# Altium PCB CentralUnit_PCB.PcbDoc
Units mm, origin at the board's own origin, x right, y up, seen from the top; angles counter-clockwise.
Board outline 83 x 60.78 mm, 2 copper layers (Top Layer, Bottom Layer), stack 1.571 mm thick; 35 components, 17 nets, 119 pads, 15 vias.
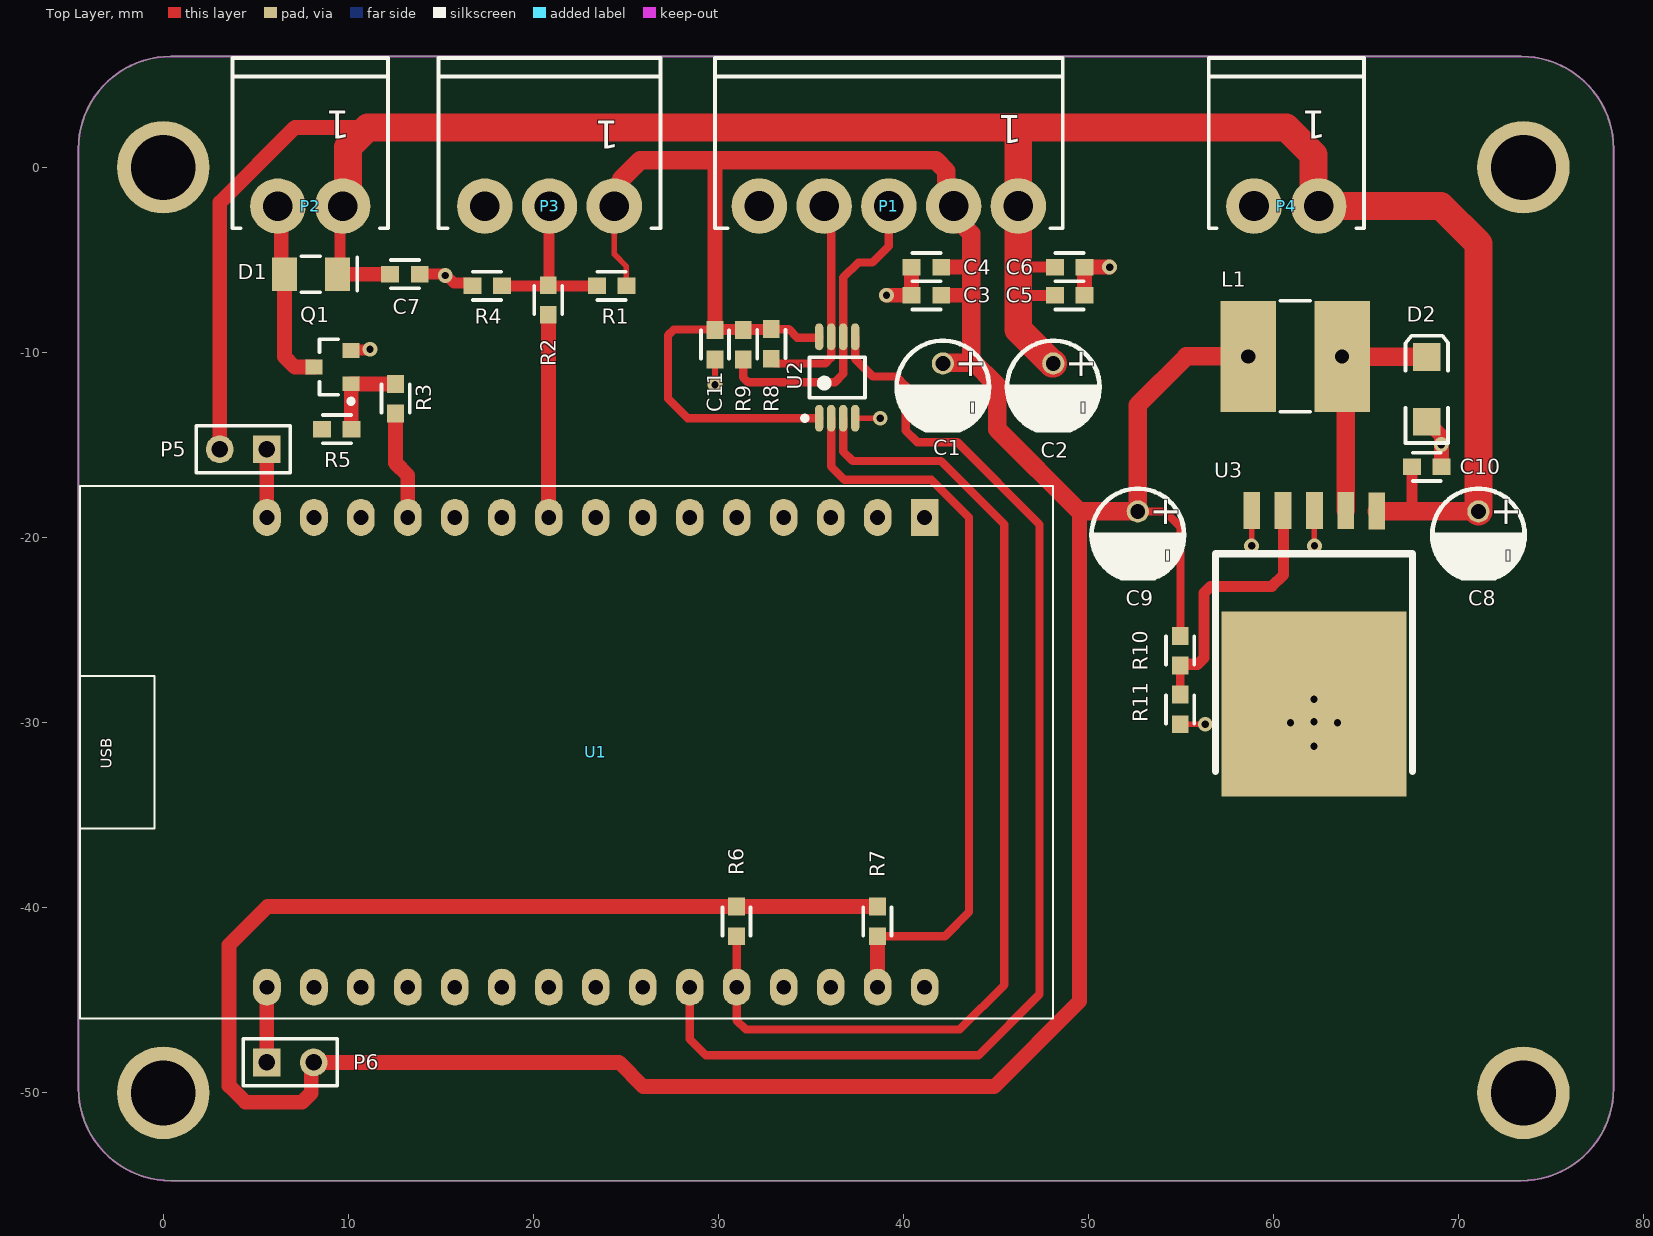
[diagram p0: Top Layer view]
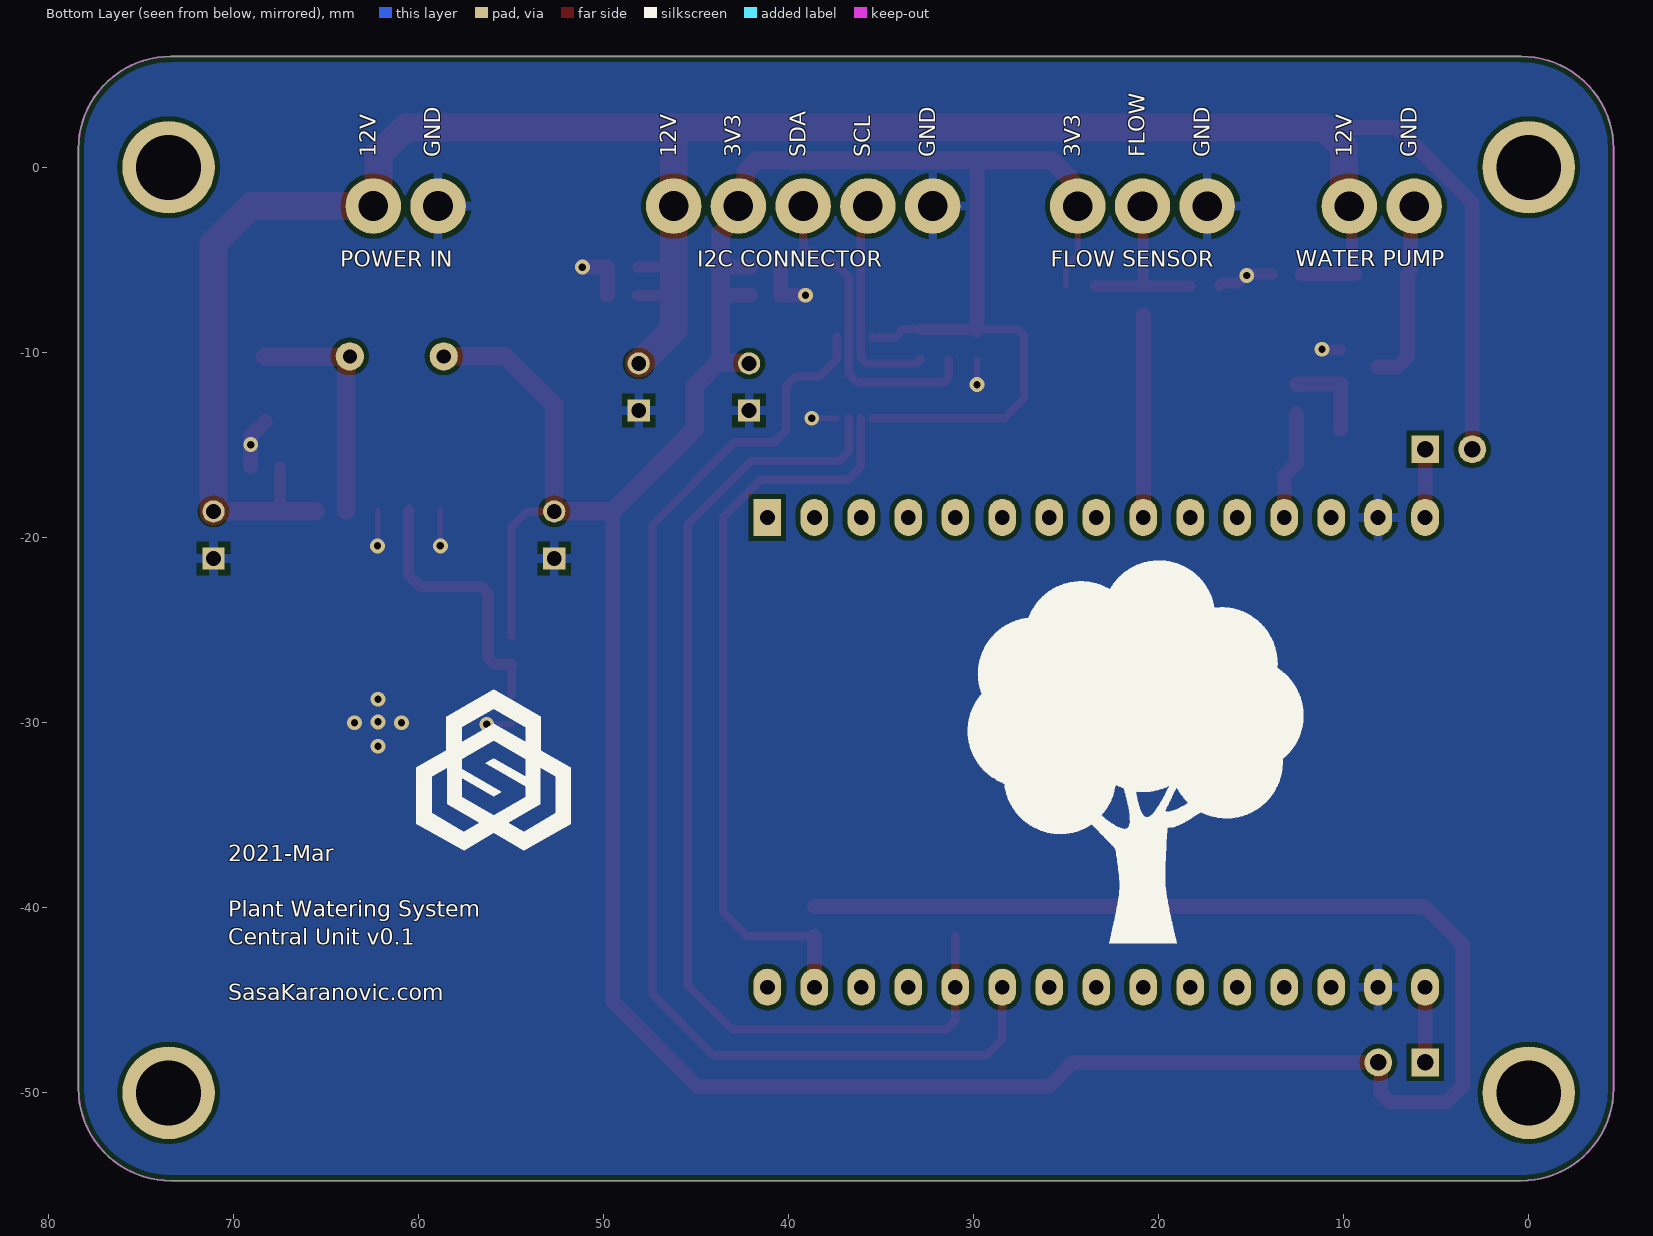
[diagram p1: Bottom Layer view, seen from below]
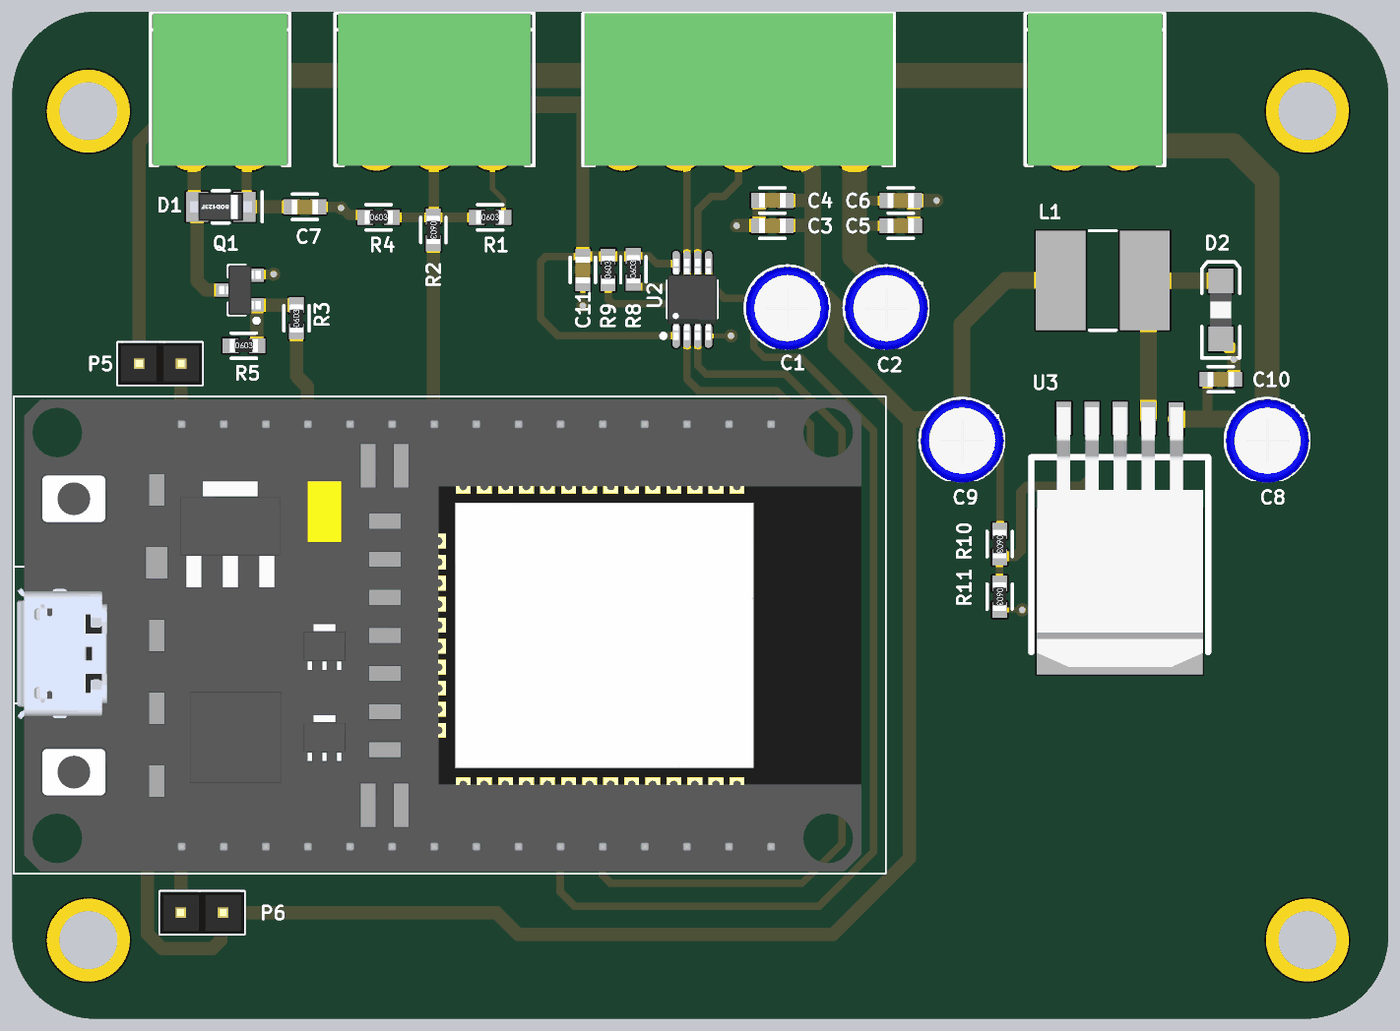
[diagram p2: 3D render of the assembled board from above, using the file's embedded part models]

## Layer stack, top to bottom
Top Solder: solder mask 0.0102, Solder Resist, Dk 3.5
Top Layer: signal copper 0.0356
Dielectric 1: dielectric 1.5, FR-4, Dk 4.8
Bottom Layer: signal copper 0.0356
Bottom Solder: solder mask 0.0102, Solder Resist, Dk 3.5

## Board outline
-4.592,-49.784 ccw(c0.408,-49.784) 0.408,-54.784 73.406,-54.784 ccw(c73.406,-49.784) 78.406,-49.784 78.406,1 ccw(c73.406,1) 73.406,6 0.408,6 ccw(c0.408,1) -4.592,1

## Design rules (kind name [scope] priority, off if disabled: settings)
Clearance Clearance_1 [InNamedPolygon('GND_L02_P000')] p1: gap=0.254 ignorepadtopadclearanceinfootprint=FALSE except(0: Arc-Hole Track-Hole SMDPad-Hole THPad-Hole Via-Hole Fill-Hole Poly-Hole Region-Hole Text-Hole)
Clearance [All] p2: gap=0.152 ignorepadtopadclearanceinfootprint=FALSE
HoleSize [All] p1: absolutevalues=TRUE maxlimit=50 minlimit=0.4 maxpercent=80.000 minpercent=20.000
MinimumSolderMaskSliver [All] p1 off: minsoldermaskwidth=0.1
PlaneConnect [All] p1: pad.planeconnectstyle=Relief pad.reliefexpansion=0.508 pad.reliefentries=4 pad.reliefconductorwidth=0.254 pad.reliefairgap=0.254 via.planeconnectstyle=Direct via.reliefexpansion=0.508 via.reliefentries=4 via.reliefconductorwidth=0.254 via.reliefairgap=0.254
PolygonConnect [All] p1: thpad.connectstyle=Relief thpad.reliefconductorwidth=0.5 thpad.reliefentries=4 thpad.polygonreliefangle="90 Angle" thpad.airgapwidth=0.3 smdpad.connectstyle=Relief smdpad.reliefconductorwidth=0.254 smdpad.reliefentries=4 smdpad.polygonreliefangle="90 Angle" smdpad.airgapwidth=0.254 via.connectstyle=Direct via.reliefconductorwidth=0.254 via.reliefentries=4 via.polygonreliefangle="90 Angle" via.airgapwidth=0.254
RoutingVias [All] p1: holewidth=0.8 width=0.8 viastyle="Through Hole" minholewidth=0.3 minwidth=0.6 maxholewidth=0.4 maxwidth=50
SilkToSilkClearance [All] p1 off: silktosilkclearance=0.1
SilkToSolderMaskClearance [IsPad] p1 off: minsilkscreentomaskgap=0.1 clearancetoexposedcopper=TRUE
SolderMaskExpansion [All] p1: expansion=0.102
Width [All] p1: maxlimit=50 minlimit=0.154 preferedwidth=0.2
25 further rules are at their usual default settings.

## Components (designator, comment, footprint, x,y, rotation, side; value= is the part's Value field where it differs from the comment)
C1 "16V" "Electrolytic Cap 2.54mm" 42.144,-11.869 r270 top value=100uF
C2 "16V" "Electrolytic Cap 2.54mm" 48.113,-11.869 r270 top value=100uF
C3 "Cap" "0603 - CAP HS" 41.255,-6.916 r0 top value=100n
C4 "Cap" "0603 - CAP HS" 41.255,-5.392 r0 top value=22uF
C5 "Cap" "0603 - CAP HS" 49.002,-6.916 r180 top value=100n
C6 "Cap" "0603 - CAP HS" 49.002,-5.392 r180 top value=22uF
C7 "Cap" "0603 - CAP HS" 13.061,-5.773 r180 top value=22uF
C8 "16V" "Electrolytic Cap 2.54mm" 71.1,-19.869 r270 top value=100uF
C9 "16V" "Electrolytic Cap 2.54mm" 52.685,-19.869 r270 top value=100uF
C10 "Cap" "0603 - CAP HS" 68.306,-16.186 r180 top value=100n
C11 "Cap" "0603 - CAP HS" 29.825,-9.583 r90 top value=100n
D1 "1N4148" SOD123F 7.981,-5.773 r0 top
D2 "Diode Schotky" "1206 Polarized" 68.306,-11.995 r90 top
L1 "Inductor" IND_TH_SMD 61.194,-10.217 r180 top value=47uH
P1 "691322110005" TERMINAL_5POS_90DEG_2PART 39.223,5.911 r180 top
P2 "691322110002" TERMINAL_2POS_90DEG_2PART 7.941,5.91 r180 top
P3 "691322110003" TERMINAL_3POS_90DEG_2PART 20.877,5.91 r180 top
P4 "691322110002" TERMINAL_2POS_90DEG_2PART 60.714,5.911 r180 top
P5 "Header 2" "Header 2x1" 5.588,-15.24 r180 top
P6 "Header 2" "Header 2x1" 5.588,-48.387 r0 top
Q1 "DMN62D0U-13" SOT90P240X100-3N 9.144,-10.795 r180 top
R1 "Res" "0603 - HS" 24.237,-6.408 r0 top value=100K
R2 "Res" "0603 - HS" 20.808,-7.17 r270 top value=100R
R3 "Res" "0603 - HS" 12.553,-12.504 r90 top value=100R
R4 "Res" "0603 - HS" 17.506,-6.408 r0 top value=DNP
R5 "Res" "0603 - HS" 9.378,-14.155 r0 top value=100K
R6 "Res" "0603 - HS" 30.988,-40.767 r90 top value=2K
R7 "Res" "0603 - HS" 38.608,-40.767 r90 top value=2K
R8 "Res" "0603 - HS" 32.873,-9.545 r90 top value=2K2
R9 "Res" "0603 - HS" 31.349,-9.583 r90 top value=2K2
R10 "Res" "0603 - HS" 54.971,-26.13 r270 top value=1K8
R11 "Res" "0603 - HS" 54.971,-29.305 r270 top value=1K
U1 "ESP32 Dev Kit" ESP32-DevModule 22.098,-31.623 r270 top locked
U2 "PCA9517ADP,118" MSOP8-3mm 36.429,-11.361 r90 top
U3 "LM2576-3.3" TO263-5 62.21,-25.838 r180 top

## Footprints (in the part's own frame and the unit in brackets; to place one, negate y for a bottom-side part, rotate by r counter-clockwise, add the part's x,y. Pads: shape width x height; smd on the part's side, far side on the other; paste and mask are expansions set on the pad)
"0603 - CAP HS" [mm]
  rect 0.965x0.9 smd: 1(-0.8,0) 2(0.8,0)
  silkscreen extent -0.76,-0.76 0.76,0.76, body extent -0.8,-0.44 0.8,0.46, height 0.8
"0603 - HS" [mm]
  rect 0.965x0.9 smd: 1(-0.8,0) 2(0.8,0)
  silkscreen extent -0.76,-0.76 0.76,0.76, body extent -0.85,-0.4 0.85,0.4, height 0.56
"1206 Polarized" [mm] "SMT LED; 2 Flat Leads"
  rect 1.5x1.5 smd: A(-1.75,0) K(1.75,0)
  silkscreen extent -2.9,-1.15 2.9,1.15, body extent -1,-0.65 1,0.66, height 0.73
"Electrolytic Cap 2.54mm" [mm] "Elektrolitski kondenzator, razmak 2.54mm"
  round 1.2 hole 0.8: 1(-1.27,0)
  rect 1.2x1.2 hole 0.8: 2(1.27,0)
  silkscreen extent -2.5,-2.5 2.33,2.5, body extent -2.5,-2.5 2.55,2.55, height 3.07
ESP32-DevModule [mm]
  rect 2x1.5 hole 0.8 unplated: 1(-12.7,19.06)
  oval 2x1.5 hole 0.8 unplated: 2(-12.7,16.52) 3(-12.7,13.98) 4(-12.7,11.44) 5(-12.7,8.9) 6(-12.7,6.36) 7(-12.7,3.82) 8(-12.7,1.28) 9(-12.7,-1.26) 10(-12.7,-3.8) 11(-12.7,-6.34) 12(-12.7,-8.88) 13(-12.7,-11.42) 14(-12.7,-13.96) 15(-12.7,-16.5) 16(12.7,-16.5) 17(12.7,-13.96) 18(12.7,-11.42) 19(12.7,-8.88) 20(12.7,-6.34) 21(12.7,-3.8) 22(12.7,-1.26) 23(12.7,1.28) 24(12.7,3.82) 25(12.7,6.36) 26(12.7,8.9) 27(12.7,11.44) 28(12.7,13.98) 29(12.7,16.52) 30(12.7,19.06)
  silkscreen extent -14.4,-26.6 14.4,26, body extent -14.22,-26.4 14.28,24.53, height 12.2
"Header 2x1" [mm] "Jumper 2x2,54mm"
  rect 1.5x1.5 hole 0.9: 1(0,0)
  round 1.5 hole 0.9: 2(2.54,0)
  silkscreen extent -1.27,-1.27 3.81,1.27, body extent -1.28,-1.27 3.8,1.27, height 8.49
IND_TH_SMD [mil]
  rect 118.11x236.22 smd: 1(-100,0) 2(100,0)
  round 60 hole 30: 1(-100,0) 2(100,0)
  silkscreen extent -31,-118 31,118
MSOP8-3mm [mm] "TSOP, 8-Leads, Body 3.00x3.00mm, Pitch 0.65mm, IPC Medium Density"
  oval 1.45x0.45 smd: 1(-2.2,0.975) 2(-2.2,0.325) 3(-2.2,-0.325) 4(-2.2,-0.975) 5(2.2,-0.975) 6(2.2,-0.325) 7(2.2,0.325) 8(2.2,0.975)
  silkscreen extent -2.32,-1.5 1.1,1.87, body extent -2.45,-1.5 2.45,1.5, height 1.1
SOD123F [mm]
  rect 1.34x1.8 smd: A(-1.43,0) K(1.43,0)
  silkscreen extent -0.51,-0.97 2.5,0.97, body extent -1.85,-0.85 1.9,0.85, height 1.2
SOT90P240X100-3N [mm] "SOT23, 3-Leads, Body 2.90x2.40mm, Pitch 0.90mm, IPC Medium Density"
  rect 0.9x0.8 smd: 1(-1,0.9) 2(-1,-0.9) 3(1,0)
  silkscreen extent -1.13,-1.5 0.7,1.97, body extent -1.25,-1.5 1.25,1.5, height 1
TERMINAL_2POS_90DEG_2PART [mm] "TERM BLOCK HDR 4POS 90DEG 3.5MM"
  round 3 hole 1.6: 1(-1.75,8) 2(1.75,8)
  silkscreen extent -4.2,0 4.2,9.2, body extent -4.05,0 4.05,9.2, height 7.3
TERMINAL_3POS_90DEG_2PART [mm] "TERM BLOCK HDR 4POS 90DEG 3.5MM"
  round 3 hole 1.6: 1(-3.5,8) 2(0,8) 3(3.5,8)
  silkscreen extent -6,0 6,9.2, body extent -5.8,0 5.8,9.2, height 7.3
TERMINAL_5POS_90DEG_2PART [mm] "TERM BLOCK HDR 5POS 90DEG 3.5MM"
  round 3 hole 1.6: 1(-7,8) 2(-3.5,8) 3(0,8) 4(3.5,8) 5(7,8)
  silkscreen extent -9.4,0 9.4,9.2, body extent -9.3,0 9.3,9.2, height 7.3
TO263-5 [mm] "TO263-5 SMT package"
  rect 0.9x2 smd: 1(-3.4,-7.25) 2(-1.725,-7.3) 3(-0.025,-7.3) 4(1.675,-7.3) 5(3.375,-7.3)
  rect 10x10 smd: 3(0,3.162)
  silkscreen extent -5.34,-4.95 5.34,6.81, body extent -5.02,-7.96 4.98,7.71, height 4.78

## Part data
C1 C2 C8 C9: library part "Cap Electrolytic", "Polarized Capacitor (Axial)", Distributor Part Number=493-10673-1-ND, Manufacturer=Nichicon, Manufacturer Part Number=UKT1V101MED1TD, Distributor=DigiKey
C3 C5 C10 C11: "CAP CER 0.1UF 50V X7R 0603", Distributor Part Number=1276-CL10B104KB8NNNLCT-ND, Manufacturer="Samsung Electro-Mechanics", Manufacturer Part Number=CL10B104KB8NNNL, Distributor=DigiKey
C4 C6 C7: "Capacitor", Distributor Part Number=493-13481-1-ND, Manufacturer=Nichicon, Manufacturer Part Number=UVZ1J220MDD1TD, Distributor=DigiKey
D1: library part Diode, "DIODE GEN PURP 100V 300MA SOD123", Distributor Part Number=1N4148W-FDICT-ND, Manufacturer="Diodes Incorporated", Manufacturer Part Number=1N4148W-7-F, Distributor=DigiKey
D2: Distributor Part Number=478-7805-1-ND, Manufacturer="AVX Corporation", Manufacturer Part Number=SD1206S040S1R0, Distributor=DigiKey
L1: "Shielded - Inductor 200mOhm Nonstandard", Distributor Part Number=240-2745-2-ND, Manufacturer="Laird-Signal Integrity Products", Manufacturer Part Number=TYS6045470M-10, Distributor=DigiKey
P1: library part "Terminal 5_691322110005", "TERM BLOCK HDR 5POS 90DEG 3.5MM", Distributor Part Number=732-2772-ND, Manufacturer="Würth Elektronik", Distributor=DigiKey, Manufacturer Part Number=691322110005
P2 P4: library part "Terminal 2_691322110002", "2 Position Terminal Block Header, Male Pins, Shrouded (4 Side) 0.138\" (3.50mm) 90°, Right Angle - Through Hole", Distributor Part Number=732-2769-ND, Manufacturer="Würth Elektronik", Distributor=DigiKey, Manufacturer Part Number=691322110002
P3: library part "Terminal 3_691322110003_1", "TERM BLOCK HDR 3POS 90DEG 3.5MM", Distributor Part Number=732-2770-ND, Manufacturer="Würth Elektronik", Distributor=DigiKey, Manufacturer Part Number=691322110003
P5 P6: "Header, 2-Pin", Distributor Part Number=952-2244-ND, Manufacturer="Harwin Inc.", Manufacturer Part Number=M20-9960245, Distributor=DigiKey
Q1: "MOSFET N-CH 60V 0.38A", Distributor Part Number=DMN62D0U-13DICT-ND, Manufacturer="Diodes Incorporated", Distributor=DigiKey, Manufacturer Part Number=DMN62D0U-13
R1 R2 R3 R4 R6 R7 R8 R9: "RES SMD 0 OHM JUMPER 1/10W 0603", Distributor Part Number=311-0.0LECT-ND, Manufacturer=Yageo, Manufacturer Part Number=AC0603JR-070RL, Distributor=DigiKey
R5: "RES SMD 1M OHM 5% 1/10W 0603", Distributor Part Number=311-1.0MGRCT-ND, Manufacturer=Yageo, Manufacturer Part Number=RC0603JR-071ML, Distributor=DigiKey
R10: "Resistor", Distributor Part Number=311-1.8KGRCT-ND, Manufacturer=Yageo, Manufacturer Part Number=RC0603JR-071K8L, Distributor=DigiKey
R11: "Resistor", Distributor Part Number=311-1.0KGRCT-ND, Manufacturer=Yageo, Manufacturer Part Number=RC0603JR-071KL, Distributor=DigiKey
U1: library part ESP32_DEV, Distributor Part Number=TBD, Manufacturer=Espressif, Manufacturer Part Number="ESP32-Dev Module", Distributor=TBD
U2: "IC REDRIVER I2C 1CH 8TSSOP", Distributor Part Number=568-5926-1-ND, Manufacturer="NXP USA Inc.", Distributor=DigiKey, Manufacturer Part Number=PCA9517ADP,118
U3: library part LM2576-xx, "Buck Switching Regulator IC Positive Fixed 3.3V 1 Output 3A TO-263-6, D²Pak (5 Leads + Tab), TO-263BA", Distributor Part Number=LM2596S-3.3/NOPB-ND, Manufacturer="Texas Instruments", Manufacturer Part Number=LM2596S-3.3/NOPB, Distributor=DigiKey

## Free pads (board coordinates)
  round 5 hole 3.5 unplated: ""(0,-50.038) ""(0,0) ""(73.533,-50.038) ""(73.533,0)

## Via types
v1: diameter 0.8, hole 0.4, Top Layer to Bottom Layer, tented both sides, 15 vias

## Nets (pads, with @x,y where several pads share a name; then routed paths per layer and width w, separated by ;. In a path a pad name is that pad's centre, name@x,y a point inside that pad or via, vN(x,y) a via of type N, cw(c..) or ccw(c..) an arc to the next point about the centre after c; other vN are vias at no path point)
3V3: C1.1 C3.2 C4.2 C9.1 C11.2 L1.2 P1.2 P3.1 P6.2 R1.2 R6.2 R7.2 R8.2 R9.2 R10.1 U2.1 U2.8 | length 225.6
  Top Layer w0.3: P3.1 24.377,-4.692 25.037,-5.352 R1.2
  Top Layer w0.45: C11.2@29.844,-8.764 29.825,-8.764 27.596,-8.764 27.285,-9.075 27.285,-12.504 28.342,-13.561 U2.1 ; R8.2 33.813,-8.745 34.27,-9.202 35.454,-9.202 U2.8 ; C9.1 54.159,-18.599 54.991,-19.431 54.991,-25.31 R10.1
  Top Layer w0.6: C11.2@29.844,-8.764 32.854,-8.764 R8.2
  Top Layer w0.8: C11.2 29.825,-8.764 29.825,0.361 29.845,0.381 ; R7.2 R6.2 5.626,-39.967 3.556,-42.037 3.556,-49.657 4.445,-50.546 7.493,-50.546 7.994,-50.045 7.994,-48.521 P6.2 24.638,-48.387 25.946,-49.695 44.92,-49.695 49.53,-45.085 49.53,-18.599 ; C3.2 43.619,-6.916 43.688,-6.985 ; C4.2 43.63,-5.392 43.688,-5.334
  Top Layer w1: P3.1 24.76,-1.707 24.76,-0.64 25.781,0.381 29.845,0.381 41.755,0.381 42.34,-0.205 42.34,-1.706 P1.2 42.723,-2.63 43.688,-3.595 43.688,-5.334 43.688,-6.985 43.688,-10.414 ; C1.1 42.182,-10.561 43.541,-10.561 43.688,-10.414 ; L1.2@58.654,-10.217 55.315,-10.217 52.685,-12.847 C9.1 49.53,-18.599 45.085,-14.154 45.085,-11.811 43.688,-10.414
3V3_ESP: P6.1 U1.16 | length 4.1
  Top Layer w0.8: P6.1 5.593,-48.382 5.593,-44.328 U1.16
12V: C2.1 C5.2 C6.2 C7.2 C8.1 C10.2 D1.K P1.1 P2.1 P4.1 P5.2 U3.1 | length 138.6
  Top Layer w0.6: D1.K 9.551,-5.633 9.551,-2.23 P2.1 ; 46.223,-7.091 46.398,-6.916 C5.2 ; 46.223,-5.423 46.254,-5.392 C6.2 ; 67.437,-18.594 67.506,-18.525 C10.2
  Top Layer w0.8: P5.2 3.048,-1.905 7.112,2.159 11.049,2.159 ; D1.K C7.2
  Top Layer w1: U3.1 65.616,-18.594 67.437,-18.594 71.095,-18.594 C8.1
  Top Layer w1.5: P2.1 9.978,-1.803 9.978,1.088 11.049,2.159 46.228,2.159 ; C2.1 48.064,-10.599 46.223,-8.758 46.223,-7.091 46.223,-5.423 P1.1 46.223,2.154 46.228,2.159 ; C8.1 71.1,-4.121 69.068,-2.089 P4.1 62.177,-1.802 62.177,0.688 60.706,2.159 46.228,2.159
FLOW_METER: R2.2 U1.9 | length 11
  Top Layer w0.8: R2.2 20.823,-7.985 20.823,-18.908 U1.9
GND: C1.2 C2.2 C3.1 C4.1 C5.1 C6.1 C7.1 C8.2 C9.2 C10.1 C11.1 D2.A P1.5 P3.3 P4.2 Q1.2 R4.1 R5.1 R11.2 U1.14 U1.17 U2.4 U3.3 U3.5 | length 20.5
  Top Layer w0.3: v1(29.825,-11.742) C11.1 ; U2.4 v1(38.763,-13.561) ; R11.2 v1(56.33,-30.105) ; v1(58.835,-20.466) U3.5 ; v1(62.235,-20.466) U3.3@62.235,-18.538
  Top Layer w0.6: Q1.2@10.173,-9.866 v1@11.143,-9.866 ; C7.1 15.117,-5.773 15.186,-5.842 v1(15.24,-5.842) 15.294,-5.842 15.71,-6.258 16.556,-6.258 R4.1
  Top Layer w0.8: v1(39.096,-6.916) C3.1 C4.1 ; C5.1 C6.1 v1(51.161,-5.392) ; D2.A 69.106,-14.545 C10.1
  other v1: 62.21,-31.299 60.94,-30.029 63.48,-30.029 62.21,-29.978 62.21,-28.759 69.088,-14.986 11.172,-9.837
I2C_EN: U1.25 U2.5 | length 65.1
  Top Layer w0.45: U1.25 28.458,-47.127 29.337,-48.006 44.069,-48.006 47.371,-44.704 47.371,-19.304 42.926,-14.859 40.767,-14.859 40.132,-14.224 40.132,-11.811 39.624,-11.303 38.354,-11.303 37.404,-10.353 U2.5
NetD1_A: D1.A P2.2 Q1.3 | length 10.1
  Top Layer w0.8: P2.2 6.371,-2.27 6.371,-5.593 D1.A 6.551,-10.234 7.112,-10.795 Q1.3
NetD2_K: D2.K L1.1 U3.2 | length 13
  Top Layer w1: U3.2 63.935,-10.56 63.734,-10.359 63.734,-10.217 63.748,-10.231 68.292,-10.231 D2.K
NetP3_2: P3.2 R1.1 R2.1 R4.2 | length 9.4
  Top Layer w0.6: R4.2 R1.1 ; R2.1 20.843,-6.335 20.843,-2.125 P3.2
NetQ1_1: Q1.1 R3.2 R5.2 | length 5
  Top Layer w0.8: Q1.1 Q1.1@10.161,-11.695 ; R5.2 10.161,-14.138 Q1.1@10.161,-11.695 ; R3.2@12.503,-11.764 12.553,-11.714 R3.2 10.203,-11.704 10.194,-11.695 Q1.1@10.161,-11.695
NetR10_2: R10.2 R11.1 U3.4 | length 14.7
  Top Layer w0.45: R11.1 R10.2
  Top Layer w0.6: R10.2 55.038,-26.863 55.91,-26.863 56.261,-26.512 56.261,-23.014 56.612,-22.663 59.924,-22.663 60.559,-22.028 60.559,-18.562 U3.4
PUMP: R3.1 U1.12 | length 5.9
  Top Layer w0.8: R3.1 12.553,-15.982 13.218,-16.647 U1.12
SCL: R7.1 U1.29 U2.2 | length 40.8
  Top Layer w0.45: U2.2 36.104,-16.165 36.83,-16.891 41.529,-16.891 43.561,-18.923 43.561,-40.259 42.253,-41.567 R7.1
  Top Layer w0.8: R7.1 38.613,-41.572 38.613,-44.318 U1.29 U1.29@38.613,-44.328
SCL_OUT: P1.4 R8.1 U2.7 | length 11.8
  Top Layer w0.45: R8.1 32.873,-10.374 33.098,-10.599 35.794,-10.599 36.104,-10.289 U2.7 36.104,-2.47 P1.4
SDA: R6.1 U1.26 U2.3 | length 57.3
  Top Layer w0.45: R6.1 30.993,-41.572 30.993,-44.318 U1.26 30.998,-46.111 31.496,-46.609 43.053,-46.609 45.466,-44.196 45.466,-19.304 42.037,-15.875 37.272,-15.875 36.754,-15.357 U2.3
SDA_OUT: P1.3 R9.1 U2.6 | length 17.2
  Top Layer w0.45: R9.1 31.349,-11.351 31.613,-11.615 36.302,-11.615 36.754,-11.163 U2.6 36.754,-5.956 37.572,-5.138 38.334,-5.138 39.223,-4.249 P1.3
VIN_ESP: P5.1 U1.15 | length 3.7
  Top Layer w0.8: P5.1 5.593,-15.245 5.593,-18.918 U1.15
pads on no net: U1.1 U1.2 U1.3 U1.4 U1.5 U1.6 U1.7 U1.8 U1.10 U1.11 U1.13 U1.18 U1.19 U1.20 U1.21 U1.22 U1.23 U1.24 U1.27 U1.28 U1.30

## Polygon pours and split planes (outlines as drawn)
GND on Bottom Layer "GND_L02_P000" (solid, pour order 0): -4.592,-49.784 ccw(c0.408,-49.784) 0.408,-54.784 73.406,-54.784 ccw(c73.406,-49.784) 78.406,-49.784 78.406,1 ccw(c73.406,1) 73.406,6 0.408,6 ccw(c0.408,1) -4.592,1

## Keep-outs
Keep-Out Layer:
  the board outline again, w0.1

## Silkscreen, mask and mechanical layers (free items; w line width, h text height)
Bottom Overlay:
  drawing of 2 lines, arcs and shapes, not listed
  text "GND" at 5.763,0.558 h1.5 r270
  text "12V" at 9.254,0.558 h1.5 r270
  text "GND" at 16.949,0.558 h1.5 r270
  text "FLOW" at 20.448,0.558 h1.5 r270
  text "3V3" at 23.948,0.558 h1.5 r270
  text "GND" at 31.795,0.559 h1.5 r270
  text "SCL" at 35.295,0.559 h1.5 r270
  text "SDA" at 38.795,0.559 h1.5 r270
  text "3V3" at 42.294,0.559 h1.5 r270
  text "12V" at 45.786,0.559 h1.5 r270
  text "GND" at 58.536,0.559 h1.5 r270
  text "12V" at 62.027,0.559 h1.5 r270
  text "WATER PUMP" at 12.59,-5.647 h1.5
  text "FLOW SENSOR" at 25.831,-5.656 h1.5
  text "I2C CONNECTOR" at 44.957,-5.656 h1.5
  text "POWER IN" at 64.238,-5.656 h1.5
  text "2021-Mar /  / Plant Watering System  / Central Unit v0.1 /  / SasaKaranovic.com" at 70.297,-45.314 h1.5
Drill Drawing:
  drawing of 254 lines, arcs and shapes, not listed
  text "Layer" at 140.09,-3.937 h1.52
  text "Name" at 150.501,-3.937 h1.52
  text "Material" at 174.117,-3.937 h1.52
  text "Thickness" at 195.955,-3.937 h1.52
  text "Constant" at 212.461,-3.937 h1.52
  text "Board Layer Stack" at 226.935,-3.937 h1.52
  text "1" at 140.09,-6.985 h1.52
  text "Top Overlay" at 150.501,-6.985 h1.52
  text "2" at 140.09,-10.033 h1.52
  text "Top Solder" at 150.501,-10.033 h1.52
  text "Solder Resist" at 174.117,-10.033 h1.52
  text "0.010mm" at 195.955,-10.033 h1.52
  text "3.5" at 212.461,-10.033 h1.52
  text "3" at 140.09,-13.081 h1.52
  text "Top Layer" at 150.501,-13.081 h1.52
  text "Copper" at 174.117,-13.081 h1.52
  text "0.036mm" at 195.955,-13.081 h1.52
  text "4" at 140.09,-16.129 h1.52
  text "Dielectric 1" at 150.501,-16.129 h1.52
  text "FR-4" at 174.117,-16.129 h1.52
  text "1.500mm" at 195.955,-16.129 h1.52
  text "4.8" at 212.461,-16.129 h1.52
  text "5" at 140.09,-19.177 h1.52
  text "Bottom Layer" at 150.501,-19.177 h1.52
  text "Copper" at 174.117,-19.177 h1.52
  text "0.036mm" at 195.955,-19.177 h1.52
  text "6" at 140.09,-22.225 h1.52
  text "Bottom Solder" at 150.501,-22.225 h1.52
  text "Solder Resist" at 174.117,-22.225 h1.52
  text "0.010mm" at 195.955,-22.225 h1.52
  text "3.5" at 212.461,-22.225 h1.52
  text "7" at 140.09,-25.273 h1.52
  text "Bottom Overlay" at 150.501,-25.273 h1.52
  text "Symbol" at 140.824,-34.671 h1.83
  text "Count" at 153.674,-34.671 h1.83
  text "Hole Size" at 167.386,-34.671 h1.83
  text "Plated" at 196.587,-34.671 h1.83
  text "Hole Type" at 209.437,-34.671 h1.83
  text "Via/Pad" at 228.075,-34.671 h1.83
  text "2" at 153.674,-38.481 h1.52
  text "0.762mm (30.00mil)" at 167.386,-38.481 h1.52
  text "PTH" at 196.587,-38.481 h1.52
  text "Round" at 209.437,-38.481 h1.52
  text "Pad" at 228.075,-38.481 h1.52
  text "4" at 153.674,-42.291 h1.52
  text "0.900mm (35.43mil)" at 167.386,-42.291 h1.52
  text "PTH" at 196.587,-42.291 h1.52
  text "Round" at 209.437,-42.291 h1.52
  text "Pad" at 228.075,-42.291 h1.52
  text "4" at 153.674,-46.101 h1.52
  text "3.500mm (137.80mil)" at 167.386,-46.101 h1.52
  text "NPTH" at 196.587,-46.101 h1.52
  text "Round" at 209.437,-46.101 h1.52
  text "Pad" at 228.075,-46.101 h1.52
  text "8" at 153.674,-49.911 h1.52
  text "0.800mm (31.50mil)" at 167.386,-49.911 h1.52
  text "PTH" at 196.587,-49.911 h1.52
  text "Round" at 209.437,-49.911 h1.52
  text "Pad" at 228.075,-49.911 h1.52
  text "12" at 153.674,-53.721 h1.52
  text "1.600mm (62.99mil)" at 167.386,-53.721 h1.52
  text "PTH" at 196.587,-53.721 h1.52
  text "Round" at 209.437,-53.721 h1.52
  text "Pad" at 228.075,-53.721 h1.52
  text "15" at 153.674,-57.531 h1.52
  text "0.400mm (15.75mil)" at 167.386,-57.531 h1.52
  text "PTH" at 196.587,-57.531 h1.52
  text "Round" at 209.437,-57.531 h1.52
  text "Via" at 228.075,-57.531 h1.52
  text "30" at 153.674,-61.341 h1.52
  text "0.800mm (31.50mil)" at 167.386,-61.341 h1.52
  text "NPTH" at 196.587,-61.341 h1.52
  text "Round" at 209.437,-61.341 h1.52
  text "Pad" at 228.075,-61.341 h1.52
  text "75 Total" at 153.674,-65.151 h1.52

## Dimensions
-4.592,-49.784 to 78.406,-49.784 on Drill Drawing
73.406,-54.784 to 73.406,6 on Drill Drawing

## Text inside footprints (layer, text, board x,y; h text height)
C1: Top Overlay "-" at 44.328,-13.368 h1.52 r90; Top Overlay "+" at 44.303,-11.513 h1.52 r90
C2: Top Overlay "-" at 50.297,-13.368 h1.52 r90; Top Overlay "+" at 50.272,-11.513 h1.52 r90
C8: Top Overlay "-" at 73.284,-21.368 h1.52 r90; Top Overlay "+" at 73.259,-19.513 h1.52 r90
C9: Top Overlay "-" at 54.869,-21.368 h1.52 r90; Top Overlay "+" at 54.844,-19.513 h1.52 r90
P1: Top Overlay "1" at 46.423,2.811 h1.52 r180
P2: Top Overlay "1" at 10.091,3.06 h1.52 r180
P3: Top Overlay "1" at 24.652,2.535 h1.52 r180
P4: Top Overlay "1" at 62.864,3.061 h1.52 r180
U1: Top Overlay "USB" at -2.564,-32.508 h1 r90